# KiCad board dilemma.kicad_pcb (continued)
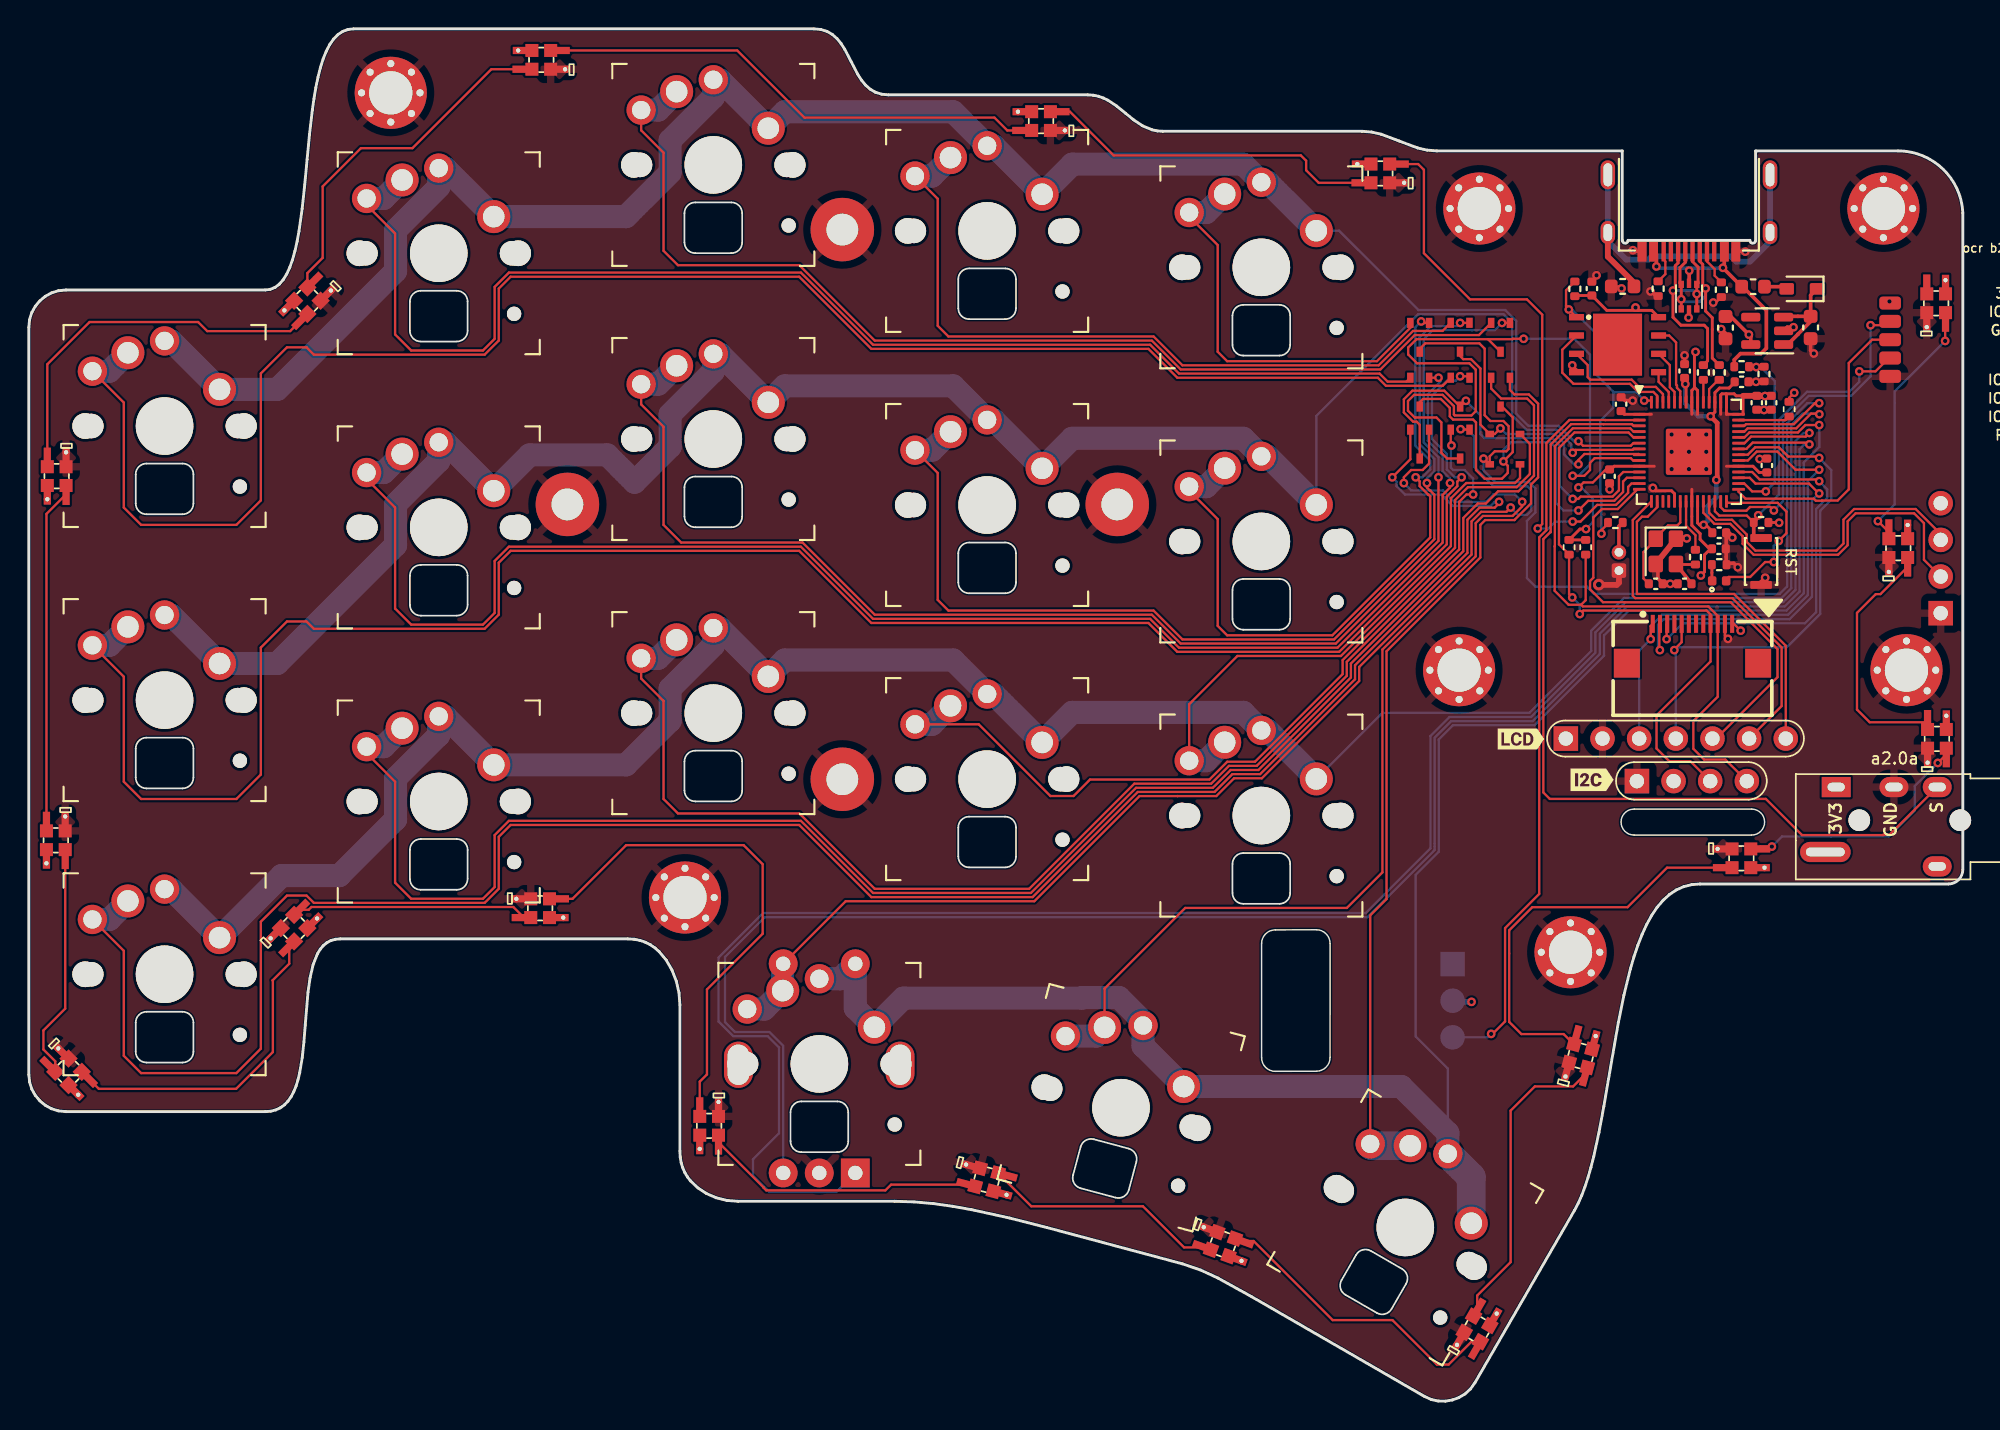
[diagram p0: board, top side]
## Nets
+1V1: C6.1 C7.1 C8.1 U1.23 U1.45 U1.50
+3V3: C2.1 C5.1 C9.1 C10.1 C11.1 C12.1 C13.1 C14.1 D3.2 D4.2 D5.2 D7.2 D8.2 D9.2 D11.2 D12.2 D15.2 D16.2 D18.2 D19.2 D21.2 D22.2 D24.2 D25.2 D27.2 D28.2 J2.2 J3.1 J4.1 J102.T J105.1 J113.12 O101.2 R2.2 R9.2 R101.2 R103.2 R104.1 U1.1 U1.10 U1.22 U1.33 U1.42 U1.43 U1.44 U1.48 U1.49 U2.8 U3.5
+5V: C1.1 D2.1 U3.1 U3.3
/VBUS_DET: R10.1 R11.2 U1.30
GND: C1.2 C2.2 C3.2 C4.2 C5.2 C6.2 C7.2 C8.2 C9.2 C10.2 C11.2 C12.2 C13.2 C14.2 D3.4 D4.4 D5.4 D7.4 D8.4 D9.4 D11.4 D12.4 D15.4 D16.4 D18.4 D19.4 D21.4 D22.4 D24.4 D25.4 D27.4 D28.4 FB1.1 H101.1 H102.1 H104.1 H105.1 H106.1 H107.1 H108.1 H111.1 J1.A1 J1.A12 J1.B1 J1.B12 J2.1 J3.2 J4.5 J5.1 J102.R1 J105.4 J113.11 O101.1 R1.1 R4.2 R5.2 R11.1 SW1.1 SW3002.C U1.19 U1.57 U2.4 U3.2 U4.2 Y1.2 Y1.4
VBUS: F1.1 J1.A4 J1.A9 J1.B4 J1.B9 R10.2 U4.5
/D+: J1.A6 J1.B6 R6.1 U4.3 U4.4
/D-: J1.A7 J1.B7 R7.1 U4.1 U4.6
/LED: D1.2 U1.28
/MISO: J113.2 U1.31
/MOSI: J3.4 J113.5 U1.35
/QSPI_D0: U1.53 U2.5
/QSPI_D1: U1.55 U2.2
/QSPI_D2: U1.54 U2.3
/QSPI_D3: U1.51 U2.7
/QSPI_SCLK: U1.52 U2.6
/QSPI_~{CS}: R3.2 R9.1 U1.56 U2.1
/SCLK: J3.3 J113.1 U1.34
/SWCLK: J105.3 U1.24
/SWD: J105.2 U1.25
/~{RESET}: J4.4 R2.1 SW1.2 U1.26
ENC_PIN1: SW3002.B U1.36
ENC_PIN2: SW3002.A U1.37
encoder_diode: D37.1 SW3001.2 SW3002.S1
HAND: R101.1 U1.41
IO14: U1.17
IO15: U1.18
IO16: J4.2 U1.27
IO18: J4.3 U1.29
M_COL1: D30.3 D35.3 U1.11
M_COL2: D31.3 D36.3 U1.12
M_COL3: D32.3 D37.3 U1.9
M_COL4: D33.3 D112.1 U1.8
M_COL5: D34.3 D115.1 U1.40
M_ROW1: SW118.1 SW119.1 SW3001.1 SW3002.S2 U1.38
M_ROW2: SW101.1 SW104.1 SW107.1 SW112.1 SW115.1 U1.6
M_ROW3: SW102.1 SW105.1 SW108.1 SW113.1 SW116.1 U1.7
M_ROW4: SW103.1 SW106.1 SW109.1 SW114.1 SW117.1 U1.39
NCS: J113.3 U1.32
QP_CS: J3.6 U1.15
QP_DC: J3.5 U1.14
QP_RST: J3.7 U1.16
RGB: J2.3 U1.2
SCL: J113.9 O101.3 R104.2 U1.5
SDA: J113.10 O101.4 R103.1 U1.4
SERIAL: J102.R2 U1.3
UNDER_RGB: D3.1 U1.13
Net-(C3-Pad1): C3.1 U1.20 Y1.1
Net-(C4-Pad1): C4.1 R8.1 Y1.3
Net-(D1-Pad1): D1.1 R1.2
Net-(D2-Pad2): D2.2 F1.2
Net-(D3-Pad3): D3.3 D7.1
Net-(D4-Pad3): D4.3 D8.1
Net-(D11-Pad1): D7.3 D11.1
Net-(D11-Pad3): D11.3 D15.1
Net-(D12-Pad1): D8.3 D12.1
Net-(D12-Pad3): D9.1 D12.3
Net-(D15-Pad3): D15.3 D18.1
Net-(D16-Pad1): D9.3 D16.1
Net-(D16-Pad3): D16.3 D19.1
Net-(D18-Pad3): D18.3 D21.1
Net-(D19-Pad3): D19.3 D22.1
Net-(D21-Pad3): D21.3 D24.1
Net-(D22-Pad3): D22.3 D25.1
Net-(D24-Pad3): D24.3 D27.1
Net-(D25-Pad3): D25.3 D28.1
Net-(D27-Pad3): D4.1 D27.3
Net-(D28-Pad3): D5.1 D28.3
Net-(D30-Pad1): D30.1 SW102.2
Net-(D30-Pad2): D30.2 SW101.2
Net-(D31-Pad1): D31.1 SW105.2
Net-(D31-Pad2): D31.2 SW104.2
Net-(D32-Pad1): D32.1 SW108.2
Net-(D32-Pad2): D32.2 SW107.2
Net-(D33-Pad1): D33.1 SW113.2
Net-(D33-Pad2): D33.2 SW112.2
Net-(D34-Pad1): D34.1 SW116.2
Net-(D34-Pad2): D34.2 SW115.2
Net-(D35-Pad1): D35.1 SW118.2
Net-(D35-Pad2): D35.2 SW103.2
Net-(D36-Pad1): D36.1 SW119.2
Net-(D36-Pad2): D36.2 SW106.2
Net-(D37-Pad2): D37.2 SW109.2
Net-(D112-Pad2): D112.2 SW114.2
Net-(D115-Pad2): D115.2 SW117.2
Net-(FB1-Pad2): FB1.2 J1.S1
Net-(J1-PadA5): J1.A5 R4.1
Net-(J1-PadB5): J1.B5 R5.1
Net-(J5-Pad2): J5.2 R3.1
Net-(R6-Pad2): R6.2 U1.47
Net-(R7-Pad2): R7.2 U1.46
Net-(R8-Pad2): R8.2 U1.21

Pads without a net: D5 3; J1 A8 B8; J102 S; J113 4 6 7 8 13 14; SW3002 MP; U2 9; U3 4

## Via types
v1: diameter 0.6, hole 0.3, Top to Bottom, 118 vias
v2: diameter 0.8, hole 0.4, Top to Bottom, 1 via

## Routing (per net, layer and track width the routed paths; a pad name or vN(x,y) marks a point on that pad's centre or on a via; arc(x,y) is an arc through that point)
+1V1: length 19.5
  Top w0.2: 118.2,70.65 118.2,70.61 117.81,70.22 117.15,70.22 116.83,69.9 U1.45 116.83,68.56 v1(116.53,68.26) ; U1.50 114.83,70.77 114.73,70.87 ; 116.65,60.29 116.2,60.74 v1(116.05,60.74) 115.77,60.74 115.63,60.87 U1.23
  Top w0.32: v1(116.93,63.85) 116.99,63.91 116.99,67.8 v1(116.53,68.26)
  Bottom w0.3: v1(116.53,68.26) 115.67,68.26 114.78,69.15 v1(114.78,70.5)
  Bottom w0.32: v1(116.93,63.85) 116.93,62.65 116.33,62.05 116.33,61.02 v1(116.05,60.74)
+3V3: length 53.2
  Top w0.16: v1(128.93,76.23) 128.98,76.18 J4.1 ; v1(107.38,63.33) 107.73,63.68 108.38,63.68 109.28,64.58 C9.1 ; v1(118.62,53.41) 118.15,53.87 J113.12 ; R101.2 121.98,69.55 v1(122.33,69.9)
  Top w0.2: R2.2 121.26,60.9 v1(121.28,60.88) ; v1(115.86,57.23) 116.11,57.48 116.11,58.66 116.63,59.18 116.36,59.18 115.81,59.73 115.81,60.13 115.23,60.7 U1.22 115.23,63.2 ; 117.62,69.82 117.32,69.82 117.23,69.74 U1.44 117.23,68.4 ; 117.62,69.82 117.63,69.8 U1.43 117.63,68.4 118.47,68.4 ; 117.62,69.82 118.17,69.82 118.3,69.68 118.78,69.68 118.78,68.4 ; 117.63,64.8 U1.33 119.47,64.8 119.9,64.37 C13.1 ; 111.52,75.6 112.46,75.6 U2.8 ; 111.52,75.6 109.34,75.6 C10.1 107.18,76.64 R9.2 ; 111.52,75.6 111.52,75.61 v1(111.33,75.8) ; 109.53,64.48 109.85,64.8 U1.10 112.63,64.8 ; v1(115.49,72.73) 115.41,72.65 115.41,70.27 115.63,70.05 U1.48 115.63,68.4 ; v1(107.9,60.45) 107.48,60.45 R104.1 R103.2 ; 110.33,68.62 110.55,68.4 112.43,68.4 ; 115.43,70.25 115.23,70.05 U1.49 115.23,68.4
  Top w0.25: U3.5 119.32,73.79 v1(119.19,73.93) 117.93,75.18 C2.1
  Top w0.4: 118.78,69.68 C11.1 ; C11.1 120.29,69.68 v1(120.31,69.67) ; C11.1 C5.1
  Bottom w0.16: v1(107.38,63.33) 107.59,63.33 108.38,62.54 108.38,60.92 v1(107.9,60.45)
  Bottom w0.4: v1(99.97,27.68) 98.74,27.68 J2.2
+5V: length 6.9
  Top w0.25: C1.1 123.47,76.65 D2.1 ; C1.1 121.65,75.19 U3.3 ; C1.1 123.47,74.83 122.58,73.95 122.58,73.94 121.87,73.24 U3.1
/VBUS_DET: length 12.8
  Top w0.16: R10.1 119.22,71.68 v1(119.7,71.68) 120.21,71.68 R11.2 ; v1(120.36,63.06) 119.42,63.06 118.87,63.6 U1.30
  Bottom w0.16: v1(120.36,63.06) 120.98,63.68 120.98,70.71 120.01,71.68 v1(119.7,71.68)
GND: length 28.1
  Top w0.16: v1(119.68,70.65) 119.71,70.68 R11.1 ; R4.2 116.9,76.15 v1(116.72,76.15) ; U2.4 107.24,71.5 v1(106.95,71.8) ; R5.2 112.69,76.6 v1(112.37,76.92) ; C10.2 108.31,77.72 v1(108.63,78.04) ; FB1.1 110.22,77.27 v1(110.36,77.13) ; J113.11 117.53,53.05 v1(117.74,52.84)
  Top w0.2: U1.19 114.03,62.9 113.83,63.1 112.73,63.1 v1(112.53,63.3)
  Top w0.25: v1(120.32,57.07) 120.03,56.79 SW1.1 ; C2.2 117.57,74.01 v1(117.27,74.31) ; C1.2 123.47,72.84 v1(123.69,72.62) ; C12.2 110.35,69.58 110.63,69.35 v1(111.13,69.35) ; 113.21,56.65 113.21,56.7 112.88,57.03 112.88,57.88 Y1.2 ; 117.61,60.29 117.61,59.2 117.59,59.18 117.61,59.15 117.61,58.1 117.64,58.08 118.14,58.08 v1(118.42,57.8) ; v1(115.01,75.1) 115.04,75.13 U4.2 ; v1(122.28,74.44) 121.84,74.44 U3.2 ; v1(118.94,79.68) 118.91,79.7 J1.A1 ; C7.2 114.73,72.48 v1(114.73,72.49) ; v1(111.15,79.78) 111.22,79.7 J1.A12 ; 120.73,68.72 120.25,68.72 v1(120.23,68.7) 120.21,68.72 119.73,68.72 ; 109.53,63.52 109.53,63.05
  Top w0.4: v1(114.88,59.8) 114.16,59.8 Y1.4 Y1.2 ; v2(108.79,56.6) 108.81,56.58 110.03,56.58 110.18,56.73 J5.1 ; 117.61,60.29 118.04,59.86 v1(118.04,59.86) ; v1(113.73,56.65) C4.2 113.21,56.65 v1(113.73,56.65)
  vias: v1(109.53,63.2) v1(113.83,67) v1(113.83,65.8) v1(113.83,64.6) v1(115.03,67) v1(115.03,65.8) v1(115.03,64.6) v1(116.23,67) v1(116.23,65.8) v1(116.23,64.6) v1(119.93,65.3)
VBUS: length 18
  Top w0.25: v1(117.39,78.56) 117.43,78.56 ; v1(117.39,78.56) 117.39,78.55 F1.1 118.76,77.25 120.4,75.61 120.4,72.98 120.02,72.61 118.6,72.61 118.17,72.18 R10.2 ; v1(117.39,78.56) 117.48,78.65 J1.A4 ; U4.5 115.05,77.49 v1(115.05,78.35) ; 112.58,79.7 112.78,79.5 v1(112.78,78.65)
  Bottom w0.25: v1(115.05,78.35) 114.97,78.44 114.97,78.54 ; v1(112.78,78.65) 112.89,78.54 114.97,78.54 ; 114.97,78.54 117.37,78.54 v1(117.39,78.56)
/D+: length 16
  Top w0.2: R6.1 116.33,72.1 116.33,74.34 116.09,74.58 114.48,74.58 113.93,75.13 v1(113.93,76.97) 114.09,77.13 114.09,78.7 114.28,78.89 J1.B6 ; U4.3 v1(115.58,76.74) U4.4 115.66,77.49 115.66,78.61 115.28,78.99 J1.A6
  Bottom w0.2: v1(115.58,76.74) 115.34,76.97 v1(113.93,76.97)
/D-: length 15.1
  Top w0.2: R7.1 116.65,72.29 116.65,75.09 116.19,75.55 v1(116.19,77.13) 115.99,77.33 115.99,78.8 115.78,79 J1.B7 ; J1.A7 114.78,78.93 114.41,78.56 114.41,77.49 U4.6 v1(114.5,76.38) U4.1
  Bottom w0.2: v1(116.19,77.13) 116.19,76.61 115.79,76.21 114.67,76.21 v1(114.5,76.38)
/LED: length 12.1
  Top w0.16: 117.62,56.96 117.79,57.13 119.28,57.13 120.31,58.16 v1(120.91,58.16) ; U1.28 117.73,62.26 121.18,62.26 121.79,61.66 121.79,60.16 v1(121.26,59.63)
  Bottom w0.16: v1(121.26,59.63) 120.91,59.28 v1(120.91,58.16)
/MISO: length 28.5
  Top w0.16: 118.47,64 119.24,64 119.65,63.6 123.35,63.6 124.04,62.92 ; J113.2 112.98,53.83 112.98,52.09 v1(113.02,52.06)
  Bottom w0.16: 124.04,62.92 123.56,62.44 123.56,55.76 122,54.2 113.28,54.2 112.89,53.81 112.89,52.19 v1(113.02,52.06)
  vias: v1(124.06,62.92)
/MOSI: length 36.9
  Top w0.16: J113.5 114.53,52.61 114.02,52.1 ; U1.35 119.11,65.6 119.62,66.11 121.27,66.11 121.91,65.47 123.96,65.47 v1(124.06,65.38)
  Bottom w0.16: v1(124.06,65.38) 124.9,64.54 124.9,62.49 124.13,61.72 124.13,54.57 121.82,52.26 114.18,52.26 114.02,52.1 ; v1(114.02,52.06) 114.12,51.95 J3.4
/QSPI_D0: length 2.4
  Top w0.16: U2.5 112.93,70.65 113.63,69.95 U1.53
/QSPI_D1: length 10.7
  Top w0.16: U1.55 112.83,69.69 112.57,69.95 111.51,69.95 110.94,70.52 107.03,70.52 106.26,71.29 106.26,72.88 U2.2
/QSPI_D2: length 8.2
  Top w0.16: U2.3 108.02,71.81 108.02,70.98 108.2,70.8 111.06,70.8 111.56,70.3 112.73,70.3 113.23,69.8 U1.54
/QSPI_D3: length 5.7
  Top w0.16: U1.51 114.43,70.01 114.2,70.23 114.2,70.4 114.14,70.46 114.14,73.38 113.66,73.86 U2.7
/QSPI_SCLK: length 3.8
  Top w0.16: U1.52 114.03,69.95 113.71,70.28 113.71,71.81 U2.6
/QSPI_~{CS}: length 25.2
  Top w0.16: 106.52,75.93 106.52,75.85 U2.1 ; 106.52,75.93 106.52,77 R9.1 ; 106.52,75.93 106.71,75.74 v1(106.71,75.67) ; v1(111.93,69.35) 112.43,69.35 U1.56 ; 109.42,60.9 109.42,60.82 108.97,60.37 v1(108.97,60.13)
  Bottom w0.16: 109.78,69.35 109.78,68.85 108.88,67.95 108.88,62.9 108.97,62.82 v1(108.97,60.13) ; 109.78,69.35 109.78,69.98 108.64,71.12 108.64,73.96 106.93,75.67 v1(106.71,75.67) ; 109.78,69.35 109.78,69.85 109.86,69.93 111.37,69.93 111.93,69.37 v1(111.93,69.35)
/SCLK: length 36.4
  Top w0.16: 124.08,64.56 122.42,64.56 121.16,65.82 119.73,65.82 119.12,65.2 U1.34 ; v1(112.38,52.82) 112.38,53.73 J113.1
  Bottom w0.16: 111.58,45.93 111.58,52.02 v1(112.38,52.82) 112.38,53.71 113.18,54.51 121.91,54.51 123.27,55.88 123.27,63.77 124.06,64.56 124.08,64.56
  vias: v1(124.06,64.56)
/SWCLK: length 24.2
  Top w0.16: U1.24 116.03,61.57 116.8,60.81 117.9,60.81 118.75,59.95 118.75,59.43 119.52,58.67 125.37,58.67 126.03,59.33 126.03,60.98 126.58,61.54 130.64,61.54 131.32,60.86 131.32,58.32 J105.3
/SWD: length 21.5
  Top w0.16: J105.2 132.48,60.1 130.74,61.84 126.48,61.84 125.74,61.1 125.74,59.45 125.25,58.95 119.64,58.95 119.04,59.55 119.04,60.07 118.02,61.09 116.92,61.09 116.43,61.58 U1.25
/~{RESET}: length 23
  Top w0.16: U1.26 116.83,61.68 117.14,61.38 119.05,61.38 119.52,60.9 119.83,61.21 v1(119.83,61.4) ; v1(126.84,71.38) 127.96,71.38 128.88,72.3 J4.4
  Top w0.25: SW1.2 119.56,59.83 119.52,59.86 119.52,60.9
  Bottom w0.16: v1(126.84,71.38) 126.84,70.66 126.15,69.97 123.22,69.97 121.27,68.01 121.27,62.83 v1(119.83,61.4)
ENC_PIN1: length 124.4
  Top w0.16: 123.47,66.32 123.35,66.44 119.45,66.44 119.01,66 118.47,66
  Bottom w0.16: SW3002.B 52.27,24.63 51.31,25.59 48.93,25.59 48.24,26.28 48.24,30.79 51,33.55 92.76,33.55 97.41,38.2 97.41,45.98 98.56,47.13 104.21,47.13 108.86,51.78 108.86,53.2 110.75,55.09 121.67,55.09 122.7,56.11 122.7,65.99 123.03,66.32 123.47,66.32
  vias: v1(123.38,66.32)
ENC_PIN2: length 134.4
  Top w0.16: v1(123.38,67.11) 123.13,66.86 119.34,66.86 118.89,66.4 118.47,66.4
  Bottom w0.16: v1(123.38,67.11) 122.98,67.11 122.41,66.54 122.41,56.23 121.57,55.38 110.64,55.38 108.55,53.29 108.55,51.88 104.09,47.42 98.44,47.42 97.12,46.1 97.12,38.32 92.64,33.83 55.12,33.83 50.88,33.83 47.79,30.74 47.79,26.32 48.81,25.3 51.19,25.3 51.98,24.51 51.98,18.57 50.18,16.77 50.18,15.63 51.31,14.5 55.95,14.5 SW3002.A
encoder_diode: length 82
  Top w0.16: D37.1 99.24,67.34 v1(99.21,67.37) ; v1(102.68,61.94) 102.38,61.64 100.64,61.64 99.97,60.98 99.97,58.68 92.18,50.89 92.18,49.92 85.44,43.17 83.51,43.17 82.28,41.94 76.96,41.94 69.67,34.65 56.6,34.65 SW3002.S1
  Bottom w0.16: v1(102.68,61.94) 103.18,61.43 103.81,61.43 104.11,61.73 104.11,63.15 103.84,63.42 101.49,63.42 100.16,64.74 100.16,66.85 99.65,67.37 v1(99.21,67.37)
  Bottom w1.6: SW3001.2 50.96,27.18 SW3001.2 52.24,30.29 SW3002.S1
HAND: length 3.6
  Top w0.16: R101.1 121.73,68 118.47,68
IO16: length 23.2
  Top w0.16: U1.27 117.23,61.96 117.48,61.72 119.01,61.72 119.27,61.98 120.68,61.98 v1(120.92,61.74) ; v1(127.62,74.58) 128.71,74.58 J4.2
  Bottom w0.16: v1(127.62,74.58) 127.62,71.03 126.27,69.68 123.34,69.68 121.55,67.89 121.55,62.37 v1(120.92,61.74)
IO18: length 20.7
  Top w0.16: J4.3 127.72,73.57 126.11,71.96 126.11,63.2 125.33,62.42 124.26,62.42 124.24,62.41 123.83,62.41 123.69,62.55 118.95,62.55 118.47,63.03 U1.29
M_COL1: length 28.4
  Top w0.16: 111.6,64.4 110.48,64.4 110.18,64.1 110.18,63.14 109.74,62.7 107.53,62.7 107.37,62.54 v1(106.98,62.54) ; D35.3 96.38,67.67 96.16,67.89 95.92,67.89 95.28,68.53 95.28,69.44 95.87,70.04 98.08,70.04 D30.3 v1(99.58,69.34)
  Bottom w0.16: v1(99.58,69.34) 100.58,68.34 100.58,67.04 100.86,66.75 105.56,66.75 106.09,66.22 106.09,63.42 v1(106.98,62.54)
M_COL2: length 32.6
  Top w0.16: D36.3 102.08,68.94 102.82,68.19 102.82,65.78 v1(102.18,65.14) 102.48,64.84 102.48,64.34 102.08,63.94 100.88,63.94 100.28,64.54 100.28,67.84 100.08,68.04 98.68,68.04 98.46,68.26 98.46,68.84 97.84,69.46 96.61,69.46 96.38,69.24 D31.3 ; 111.6,64 110.73,64 110.47,63.74 110.47,63.02 109.86,62.41 108.05,62.41 v1(107.38,61.74)
  Bottom w0.16: v1(102.18,65.14) 102.18,65.94 102.71,66.46 105.45,66.46 105.81,66.1 105.81,62.26 106.33,61.74 v1(107.38,61.74)
M_COL3: length 50.4
  Top w0.16: U1.9 111.16,65.2 111,65.36 108.51,65.36 108.18,65.04 108.18,64.54 107.78,64.14 v1(106.98,64.14) ; D37.3 98.28,65.34 97.88,65.74 97.88,67.84 97.54,68.18 96.04,68.18 95.56,68.65 95.56,69.32 95.99,69.75 97.96,69.75 98.75,68.96 98.75,68.38 98.8,68.32 99.96,68.32 100.26,68.62 100.26,71.49 99.82,71.94 96.19,71.94 95.58,72.55 95.58,73.03 96.15,73.61 101.11,73.61 ; 101.11,73.61 D32.3 ; 101.11,73.61 102.81,73.61 102.84,73.64 v1(103.58,73.64)
  Bottom w0.16: v1(103.58,73.64) 107.08,73.64 108.18,72.54 108.18,64.94 107.38,64.14 v1(106.98,64.14)
M_COL4: length 19.4
  Top w0.16: v1(101.97,67.43) 101.58,67.04 D112.1 100.58,67.68 100.58,71.57 99.93,72.22 99.39,72.22 99.17,72.44 D33.3 ; v1(107.38,64.94) 107.38,65.24 107.79,65.65 111.55,65.65 U1.8
  Bottom w0.16: v1(107.38,64.94) 107.06,64.94 106.38,65.62 106.38,66.42 105.76,67.04 102.36,67.04 v1(101.97,67.43)
M_COL5: length 66.5
  Top w0.16: D34.3 96.38,72.94 96.76,73.32 100.51,73.32 100.88,72.95 100.88,68.34 101.28,67.94 102.18,67.94 102.54,67.58 102.54,65.99 102.38,65.84 101.58,65.84 101.23,65.49 D115.1 100.83,65.33 v1(100.8,65.33) 100.94,65.19 ; 124.07,69.17 123.76,69.17 122.31,67.72 118.98,67.72 118.87,67.6 U1.40
  Bottom w0.16: v1(100.8,65.33) 100.8,64.52 101.61,63.7 103.96,63.7 104.39,63.26 104.39,61.6 103.81,61.02 103.81,57.05 104.4,56.45 107.96,56.45 108.46,55.96 121.33,55.96 121.84,56.47 121.84,67.78 123.23,69.17 124.07,69.17
  vias: v1(124.06,69.17)
M_ROW1: length 138.9
  Top w0.16: U1.38 118.88,66.8 119.22,67.14 122.59,67.14 123.1,67.66 124.07,67.66
  Bottom w0.16: SW119.1 98.33,23.05 96.1,25.28 96.1,36.48 97.69,38.08 97.69,45.86 98.68,46.85 104.33,46.85 109.15,51.67 109.15,53.08 110.87,54.8 121.79,54.8 122.99,55.99 122.99,65.05 124.07,66.14 124.07,67.66
  Bottom w1.6: SW119.1 98.33,18.59 95.11,21.81 SW118.1 77.21,24.62 SW118.1 77.21,26.31 75.54,27.97 73.01,27.97 72.98,27.94 60.61,27.94 SW3001.1 57.27,27.24 SW3002.S2 56.23,29.28 SW3001.1
  Bottom w2: SW119.1 99.95,15.53 SW119.1
  vias: v1(124.06,67.66)
M_ROW2: length 136.7
  Top w0.16: 111.6,66.4 111.18,66.4 111,66.22 107.69,66.22 v1(107.38,66.54)
  Bottom w0.16: SW115.1 90.79,81.13 96.29,75.63 102.31,75.63 103.06,74.87 103.06,68.45 103.91,67.61 105.99,67.61 107.07,66.54 v1(107.38,66.54)
  Bottom w1.6: SW115.1 85.85,84.49 SW115.1 84.15,85.74 72.3,85.74 SW112.1 66.85,87.01 SW112.1 64.05,89.37 52.38,89.37 SW107.1 47.88,91.59 SW107.1 47.43,90.38 44.43,87.39 44.43,85.16 41.38,82.1 SW104.1 28.85,85.46 SW104.1 28.4,84.16 25.41,81.17 25.41,78.32 17.21,70.13 SW101.1 9.85,73.49 SW101.1
M_ROW3: length 145.5
  Top w0.16: v1(106.98,65.74) 107.18,65.94 111.13,65.94 111.2,66 111.6,66
  Bottom w0.16: SW116.1 89.21,68.29 96.27,75.34 102.19,75.34 102.78,74.75 102.78,68.33 103.79,67.32 105.88,67.32 106.88,66.32 106.88,65.84 v1(106.98,65.74)
  Bottom w1.6: SW116.1 85.85,65.49 SW116.1 84.15,66.74 72.3,66.74 SW113.1 66.85,68.01 SW113.1 64.05,70.37 52.38,70.37 SW108.1 47.88,72.59 SW108.1 47.43,71.38 44.43,68.39 44.43,66.16 41.97,63.69 40.08,65.59 34.7,65.59 SW105.1 28.85,66.46 SW105.1 28.4,65.16 25.41,62.17 25.41,59.32 17.21,51.13 SW102.1 9.85,54.49 SW102.1
M_ROW4: length 163.2
  Top w0.16: 124.06,68.45 123.49,68.45 122.47,67.43 119.1,67.43 118.88,67.2 U1.39
  Bottom w0.16: 124.06,68.45 122.91,68.45 122.12,67.66 122.12,56.35 121.45,55.67 110.53,55.67 108.26,53.41 108.26,51.99 103.97,47.71 93.79,47.71 SW117.1
  Bottom w1.6: SW117.1 85.85,46.49 SW117.1 84.15,47.74 72.3,47.74 SW114.1 66.85,49.01 SW114.1 64.05,51.37 52.38,51.37 SW109.1 47.88,53.59 SW109.1 47.43,52.38 44.43,49.39 44.43,47.16 41.38,44.1 SW106.1 28.85,47.46 SW106.1 28.4,46.16 25.41,43.17 25.41,40.32 21.51,36.43 17.51,36.43 SW103.1 9.85,35.49 SW103.1
  vias: v1(124.07,68.41)
NCS: length 27.7
  Top w0.16: 118.47,64.4 119.41,64.4 119.93,63.89 123.93,63.89 124.05,63.77 ; J113.3 113.49,53.83 113.49,52.8
  Bottom w0.16: 124.05,63.77 124.61,63.2 124.61,62.61 123.85,61.84 123.85,54.69 123.07,53.91 114.6,53.91 113.49,52.8
  vias: v1(113.49,52.82) v1(124.06,63.77)
QP_CS: length 26.1
  Top w0.16: U1.15 111.14,61.07 111.14,55.83 111.31,55.66 118.04,55.66 121.46,52.24 121.46,48.18 J3.6
QP_DC: length 32
  Top w0.16: J3.5 116.92,45.93 121.17,50.18 121.17,52.12 117.92,55.37 110.58,55.37 110.58,55.38 109.08,55.38 108.18,56.27 108.18,56.85 108.41,57.07 108.41,61.25 109,61.84 110.1,61.84 111.46,63.2 U1.14
QP_RST: length 25.5
  Top w0.16: U1.16 112.83,61.96 112.17,61.3 111.78,61.3 111.43,60.95 111.43,55.95 118.16,55.95 121.74,52.36 121.74,45.93
RGB: length 52.5
  Top w0.16: v1(101.33,25.46) 101.43,25.46 102.29,26.32 102.29,32.79 104.66,35.16 104.66,59.87 105.16,60.37 105.16,66.41 106.75,68.01 109.23,68.01 109.23,68 111.6,68
  Bottom w0.16: J2.3 101.09,25.22 v1(101.33,25.46)
SCL: length 43
  Top w0.16: U1.5 111.18,66.8 110.84,67.14 107.1,67.14 106.03,66.07 106.03,59.39 106.73,58.69 R104.2 106.73,55.93 v1(106.95,55.71) ; v1(107.47,54.56) 107.71,54.8 116.25,54.8 116.53,54.53 J113.9 116.53,51.27 112.79,47.53 112.79,45.24 113.67,44.36 115.13,44.36 O101.3
  Bottom w0.16: v1(107.47,54.56) 107.47,55.19 v1(106.95,55.71)
SDA: length 46.7
  Top w0.16: 107.56,55.2 107.67,55.09 116.37,55.09 117.03,54.43 J113.10 117.03,48.83 115.34,47.14 115.34,45.22 116.09,44.47 117.56,44.47 O101.4 ; 107.56,55.2 106.69,55.2 105.73,56.17 105.73,59.25 105.74,59.27 105.74,66.19 106.99,67.43 108.9,67.43 108.91,67.43 110.96,67.43 111.19,67.2 U1.4 ; 107.56,55.2 107.88,55.52 R103.1
SERIAL: length 61
  Top w0.16: U1.3 111.2,67.6 111.08,67.72 109.11,67.72 109.11,67.72 106.87,67.72 105.46,66.3 105.46,60.23 105.42,60.23 104.94,59.75 104.94,42.19 105.39,41.74 120.36,41.74 122.87,39.23 128.49,39.23 128.51,39.26 128.93,39.26 J102.R2
UNDER_RGB: length 41.3
  Top w0.16: v1(104.56,60.49) 104.87,60.8 104.87,75.31 103.81,76.37 99.87,76.37 96.67,79.57 96.67,85.35 96.27,85.75 D3.1 ; U1.13 111.05,63.6 110.82,63.37 110.82,62.96 109.98,62.12 108.67,62.12 107.52,60.97 v1(106.98,60.97)
  Bottom w0.16: v1(106.98,60.97) 105.78,60.97 105.3,60.49 v1(104.56,60.49)
Net-(C3-Pad1): length 7.3
  Top w0.16: U1.20 114.43,60.9 114.23,60.7 113.58,60.7 112.73,59.85 Y1.1 112.73,59.7 111.88,58.85 111.88,57.02 C3.1
Net-(C4-Pad1): length 3.1
  Top w0.2: 115.53,57.99 114.17,57.99
  Top w0.25: Y1.3 115.21,56.65
Net-(D1-Pad1): length 1.1
  Top w0.2: 116.65,56.96 116.62,56.98 116.62,58.07 116.62,58.08
Net-(D2-Pad2): length 1.6
  Top w0.25: F1.2 121.66,77.25 D2.2
Net-(D3-Pad3): length 24.6
  Top w0.16: D3.3 89.38,84.45 88.51,85.32 88.51,85.98 88.14,86.35 75.17,86.35 72.14,89.38 D7.1
Net-(D4-Pad3): length 35.2
  Top w0.16: D8.1 46.49,22.15 46.99,22.65 46.99,28.54 50.85,32.4 50.85,37.22 49.53,38.54 41.39,38.54 37.67,34.82 D4.3
Net-(D11-Pad1): length 35.2
  Top w0.16: D11.1 49.09,93.62 53.74,88.97 66.91,88.97 67.8,88.08 D7.3
Net-(D11-Pad3): length 25.3
  Top w0.16: D15.1 19.3,78.19 20.36,79.25 20.36,84.2 23.01,86.85 26.58,86.85 32.05,92.32 D11.3
Net-(D12-Pad1): length 18.9
  Top w0.16: D12.1 59.75,15.01 59.35,14.61 51.09,14.61 50.92,14.79 50.92,14.81 D8.3
Net-(D12-Pad3): length 16.4
  Top w0.16: D12.3 69.46,13.51 77.2,13.51 80.05,10.66 D9.1
Net-(D15-Pad3): length 26.6
  Top w0.16: D15.3 18.11,74.17 12.36,74.17 11.73,74.8 4.21,74.8 1.28,71.87 D18.1
Net-(D16-Pad1): length 20.7
  Top w0.16: D16.1 99.96,4.12 98.38,2.54 97.57,2.54 94.49,5.62 90.35,5.62 84.87,11.1 D9.3
Net-(D16-Pad3): length 21
  Top w0.16: D19.1 107.01,21.82 104.36,21.82 102.68,20.14 102.68,9.64 100.36,7.32 D16.3
Net-(D18-Pad3): length 24.5
  Top w0.16: D18.3 2.58,62.86 1.22,61.5 D21.1
Net-(D19-Pad3): length 28.3
  Top w0.16: D22.1 113.52,36.98 110.78,34.24 104.18,34.24 102.58,32.64 102.58,26.29 103.42,25.44 106.35,25.44 D19.3
Net-(D21-Pad3): length 15.9
  Top w0.16: D24.1 1.83,23.56 1.01,24.38 1.01,25.7 2.52,27.21 D21.3
Net-(D22-Pad3): length 17.1
  Top w0.16: v1(132.28,44.24) 132.82,44.78 D25.1 ; v1(120.78,38.44) 119.98,38.44 D22.3
  Top w0.2: 132.87,44.91 132.87,45.3
  Bottom w0.16: v1(132.28,44.24) 130.68,42.64 130.68,40.94 128.88,39.14 121.48,39.14 v1(120.78,38.44)
Net-(D24-Pad3): length 22.6
  Top w0.16: D24.3 4.85,21.65 14.36,21.65 16.91,24.2 16.91,29.15 16.89,29.17 18.04,30.32 D27.1
Net-(D25-Pad3): length 16.8
  Top w0.16: D25.3 127.56,47.06 126.68,47.94 126.68,54.64 127.98,55.94 128.3,55.94 130.19,57.82
Net-(D27-Pad3): length 16
  Top w0.16: D27.3 19.39,34.06 19.58,34.25 33.57,34.25 D4.1
Net-(D28-Pad3): length 17
  Top w0.16: D28.3 128.85,60.28 v1(128.13,61) ; v1(132.79,73.49) 132.79,74.95 D5.1
  Bottom w0.16: v1(132.79,73.49) 129.29,69.99 129.29,62.16 v1(128.13,61)
Net-(D30-Pad1): length 141.4
  Top w0.16: D30.1 99.73,71.04 v1(99.18,71.04) ; v1(99.28,64.03) 98.98,63.74 98.98,63.42 98.25,62.69 98.25,59.39 90.8,51.94 79.58,51.94 77.58,53.94 58.38,53.94 53.38,58.94 33.38,58.94 32.56,58.12 32.56,54.52 31.58,53.54 19.75,53.54 19.24,54.04 17.88,54.04 16.07,52.23 16.07,43.43 14.38,41.74 7.78,41.74 6.58,42.94 6.58,50.21 SW102.2
  Bottom w0.16: v1(99.28,64.03) 98.8,64.03 98.25,64.58 98.25,65.66 97.23,66.68 97.23,69.69 98.26,70.72 98.86,70.72 v1(99.18,71.04)
  Bottom w1.6: SW102.2 5.58,52.39 SW102.2
Net-(D30-Pad2): length 124
  Top w0.16: D30.2 97.97,70.38 94.03,70.38 93.48,70.94 79.58,70.94 77.58,72.94 58.38,72.94 53.38,77.94 33.38,77.94 32.56,77.12 32.56,73.52 31.58,72.54 19.75,72.54 19.24,73.04 17.88,73.04 16.07,71.23 16.07,62.43 14.38,60.74 7.78,60.74 6.58,61.94 6.58,69.21 SW101.2
  Bottom w1.6: SW101.2 5.58,71.39 SW101.2
Net-(D31-Pad1): length 110
  Top w0.16: v1(97.68,70.94) D31.1 ; SW105.2 23.4,63.91 25.38,61.94 25.38,54.94 26.49,53.82 31.46,53.82 32.28,54.63 32.28,58.23 33.26,59.22 53.5,59.22 58.5,54.22 77.7,54.22 79.7,52.22 90.68,52.22 97.96,59.51 97.96,62.81 98.48,63.32 v1(98.48,63.63)
  Bottom w0.16: v1(98.48,63.63) 98.48,63.95 97.96,64.46 97.96,65.54 96.94,66.57 96.94,69.81 97.83,70.69 97.58,70.94 v1(97.68,70.94)
  Bottom w1.6: SW105.2 24.58,64.36 SW105.2
Net-(D31-Pad2): length 91.6
  Top w0.16: D31.2 95.46,70.67 94.15,70.67 93.6,71.22 79.7,71.22 77.7,73.22 58.5,73.22 53.5,78.22 33.26,78.22 32.28,77.23 32.28,73.63 31.46,72.82 26.49,72.82 25.38,73.94 25.38,80.94 23.4,82.91 SW104.2
  Bottom w1.6: SW104.2 24.58,83.36 SW104.2
Net-(D32-Pad1): length 94.3
  Top w0.16: v1(97.68,64.03) 97.68,59.63 90.56,52.51 79.82,52.51 77.82,54.51 58.62,54.51 53.62,59.51 45.21,59.51 43.98,60.74 43.98,67.54 42.43,69.09 SW108.2 ; D32.1 v1(102.08,74.74)
  Bottom w0.16: v1(97.68,64.03) 97.68,65.43 96.66,66.45 96.66,66.74 96.66,73.61 97.28,74.23 99.98,74.23 99.99,74.24 101.58,74.24 v1(102.08,74.74)
  Bottom w1.6: SW108.2 43.61,70.49 SW108.2
Net-(D32-Pad2): length 75.5
  Top w0.16: SW107.2 42.43,88.09 43.98,86.54 43.98,79.74 44.98,78.74 53.39,78.74 58.62,73.51 77.82,73.51 79.82,71.51 93.65,71.51 96.04,73.89 100.49,73.89 D32.2
  Bottom w1.6: SW107.2 43.61,89.49 SW107.2
Net-(D33-Pad1): length 71.2
  Top w0.16: SW113.2 62.98,64.34 62.98,55.54 63.72,54.8 77.93,54.8 79.93,52.8 90.44,52.8 97.39,59.74 97.39,62.83 97.1,63.12 97.08,63.12 96.88,63.32 v1(96.88,63.63) ; v1(99.18,74.74) 99.82,74.74 D33.1
  Bottom w0.16: v1(99.18,74.74) 98.96,74.52 97.16,74.52 96.37,73.73 96.37,66.33 97.39,65.31 97.39,64.46 96.88,63.95 v1(96.88,63.63)
  Bottom w1.6: SW113.2 62.58,65.91 SW113.2
Net-(D33-Pad2): length 51.9
  Top w0.16: SW112.2 62.98,83.34 62.98,74.54 63.72,73.8 77.93,73.8 79.93,71.8 93.53,71.8 95.92,74.18 97.96,74.18 D33.2
  Bottom w1.6: SW112.2 62.58,84.91 SW112.2
Net-(D34-Pad1): length 48.5
  Top w0.16: D34.1 96.58,74.74 v1(96.48,74.84) ; v1(96.1,64.03) 96.37,63.76 96.37,63.42 96.96,62.84 96.98,62.84 97.11,62.71 97.11,59.86 90.32,53.08 83.03,53.08 82.38,53.74 82.38,61.14 80.4,63.11 80.4,63.39
  Bottom w0.16: v1(96.1,64.03) 96.56,64.03 96.59,64.06 96.59,64.07 97.11,64.58 97.11,65.19 96.08,66.22 96.08,74.44 v1(96.48,74.84)
  Bottom w1.6: SW116.2 81.58,63.39 80.4,63.39
Net-(D34-Pad2): length 28.4
  Top w0.16: 80.4,82.39 80.4,82.11 82.38,80.14 82.38,72.74 83.03,72.08 93.41,72.08 95.73,74.4 D34.2
  Bottom w1.6: SW115.2 81.58,82.39 80.4,82.39
Net-(D35-Pad1): length 73.2
  Top w0.16: v1(95.28,63.63) 95.28,64.04 95.78,64.54 96.58,64.54 97.03,64.99 D35.1 ; SW118.2 74.54,28.6 80.13,34.19 91.33,34.19 93.79,36.65 93.79,52.09 100.26,58.56 100.26,60.86 100.76,61.36 102.81,61.36 103.48,62.02 v1(103.48,62.34)
  Bottom w0.16: v1(95.28,63.63) 95.78,63.13 97.99,63.13 98.78,62.34 100.98,62.34 101.48,62.84 102.97,62.84 v1(103.48,62.34)
  Bottom w1.6: SW118.2 73.94,25.3 SW118.2
Net-(D35-Pad2): length 151.7
  Top w0.16: D35.2 95.73,65.28 v1(94.48,64.03) ; SW103.2 6.58,31.21 6.58,23.94 7.78,22.74 14.38,22.74 16.07,24.43 16.07,33.23 17.88,35.04 19.24,35.04 19.75,34.54 31.58,34.54 32.56,35.52 32.56,39.12 33.38,39.94 53.38,39.94 58.38,34.94 69.55,34.94 76.84,42.23 82.16,42.23 83.4,43.46 85.32,43.46 91.9,50.04 91.9,51.01 99.68,58.8 99.68,61.1 100.52,61.93 101.57,61.93 101.88,62.24 v1(101.88,62.34)
  Bottom w0.16: v1(101.88,62.34) 101.57,62.34 101.57,62.32 101.3,62.05 98.66,62.05 97.87,62.84 95.35,62.84 94.77,63.42 94.77,63.74 v1(94.48,64.03)
  Bottom w1.6: SW103.2 5.58,33.39 SW103.2
Net-(D36-Pad1): length 63.3
  Top w0.16: D36.1 102.63,70.09 102.94,69.78 103.94,69.78 104.58,69.14 104.58,64.02 104.09,63.53 104.09,62.23 102.94,61.08 102.94,61.07 100.91,61.07 100.58,60.74 100.58,58.47 94.08,51.98 94.08,34.8 92.95,33.67 SW119.2
  Bottom w2: SW119.2 93.07,17.71 SW119.2
Net-(D36-Pad2): length 122
  Top w0.16: D36.2 101.33,70.19 102.02,69.49 103.82,69.49 104.3,69.02 104.3,64.14 103.22,63.06 101.81,63.06 100.96,62.22 100.4,62.22 99.4,61.21 99.4,58.91 91.61,51.13 91.61,50.16 85.2,43.75 83.28,43.75 82.04,42.51 76.72,42.51 69.43,35.22 58.5,35.22 53.5,40.22 33.26,40.22 32.28,39.23 32.28,35.63 31.46,34.82 26.49,34.82 25.38,35.94 25.38,42.94 23.4,44.91 SW106.2
  Bottom w1.6: SW106.2 24.58,45.36 SW106.2
Net-(D37-Pad2): length 91.6
  Top w0.16: v1(100.08,62.84) 99.62,62.84 99.11,62.33 99.11,59.03 91.32,51.24 91.32,50.27 85.08,44.03 83.16,44.03 81.93,42.8 76.6,42.8 69.31,35.51 58.62,35.51 53.39,40.74 44.98,40.74 43.98,41.74 43.98,48.54 42.43,50.09 SW109.2 ; D37.2 98.53,66.18
  Bottom w0.16: v1(100.08,62.84) 100.08,63.95 99.49,64.54 98.7,64.54 98.54,64.7 98.54,66.2 v1(98.58,66.24)
  Bottom w1.6: SW109.2 43.61,51.49 SW109.2
Net-(D112-Pad2): length 62.5
  Top w0.16: SW114.2 65.82,46.91 70.79,41.94 72.39,41.94 73.53,43.09 81.81,43.09 83.04,44.32 84.96,44.32 91.04,50.39 91.04,51.36 98.82,59.15 98.82,62.45 99.72,63.35 103.1,63.35 104.01,64.26 104.01,66.36 D112.2
  Bottom w1.6: SW114.2 62.58,46.91 SW114.2
Net-(D115-Pad2): length 39.2
  Top w0.16: D115.2 103.33,63.99 102.98,63.64 99.6,63.64 98.54,62.57 98.54,59.27 90.92,51.65 83.74,51.65 80.4,48.31 80.4,44.39
  Bottom w1.6: SW117.2 81.58,44.39 80.4,44.39
Net-(FB1-Pad2): length 26.3
  Top w0.4: 111.4,77.34 109.41,79.33 J1.S1
  Bottom w0.4: J1.S1 J1.S1 109.41,80.4 110.69,79.13 112.24,79.13 112.46,79.35 117.96,79.35 118.32,78.99 119.27,78.99 120.65,80.37 J1.S1 J1.S1
Net-(J1-PadA5): length 2.6
  Top w0.16: J1.A5 116.28,79 116.81,78.47 116.81,78.01 R4.1
Net-(J1-PadB5): length 2.3
  Top w0.16: R5.1 113.4,78.12 113.4,79 113.28,79.11 J1.B5
Net-(J5-Pad2): length 2.2
  Top w0.25: J5.2 110.18,60.64 R3.1
Net-(R6-Pad2): length 1.6
  Top w0.16: U1.47 R6.2
Net-(R7-Pad2): length 1.9
  Top w0.16: R7.2 117.08,70.79 116.43,70.15 U1.46
Net-(R8-Pad2): length 3.6
  Top w0.16: R8.2 115.48,60.02 114.83,60.67 U1.21

## Copper pours and planes (outline as drawn; the poured copper is in the pictures)
+3V3 on Top: 117.83,62.98 112.23,62.98 112.23,68.58 117.83,68.58
+3V3 on In1.Cu: 181.48,-18.56 -31.12,-15.76 -25.52,108.14 168.28,108.14
GND on Top, Bottom, In2.Cu: 160.28,103.24 165.58,-16.26 -22.22,-18.66 -19.12,112.24

## Text on the board
B.Silkscreen: CERN-OHL-S v2 | SWCLK | GND | SWD | 3V3 | S
F.Silkscreen: default, futura light bt, / ocr b2, mplus 1mn medium, ubuntu mono, / fredoka one | RST | SWCLK | SWD | GND | 3V3 | IO15 | IO16 | IO18 | IO14 | a2.0a | S
